# Altium PCB Logic.PcbDoc (continued)
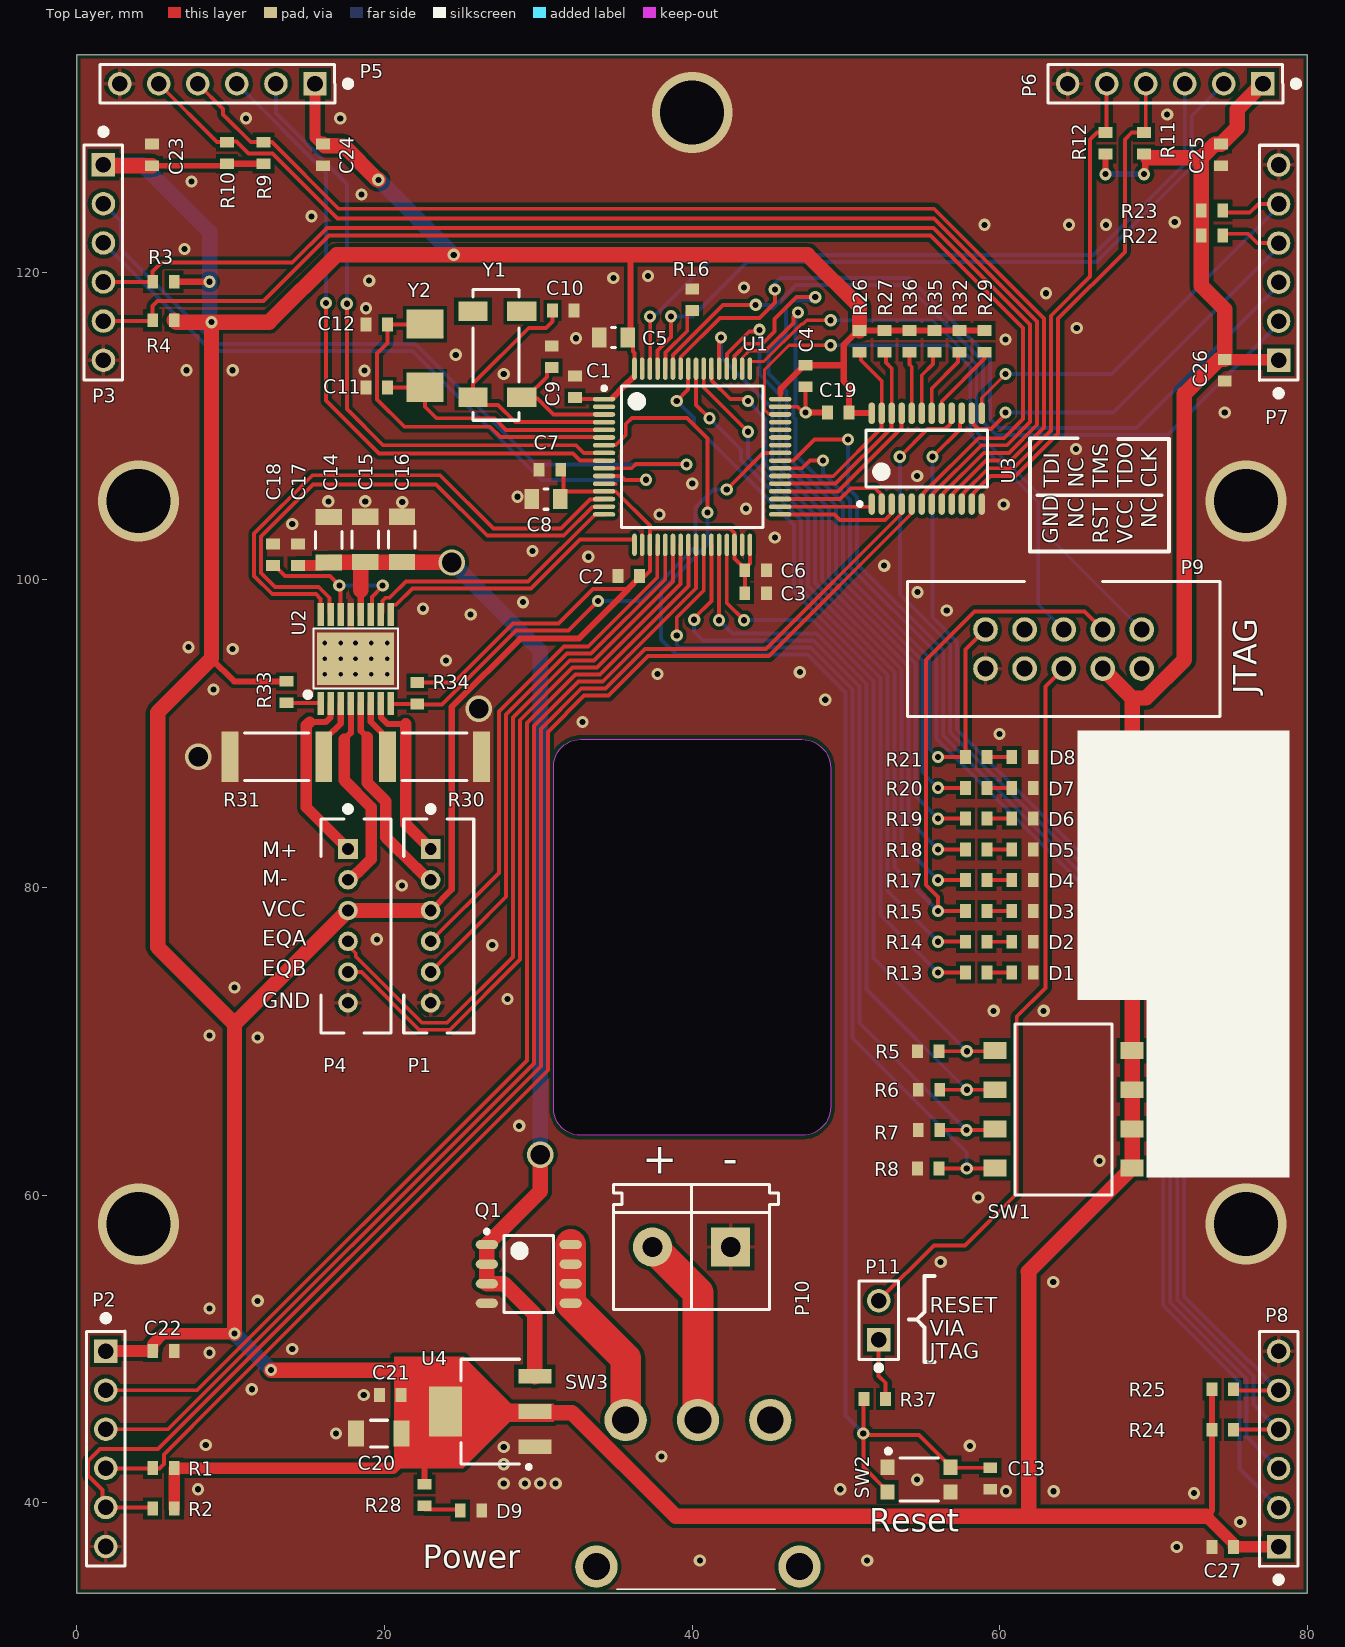
[diagram p0: Top Layer view]
## Part data (continued)
Y1: library part OSC-00003, "XTAL, 32.768kHz, 6pF, 20ppm", Frequency=32.768k, Load Capacitance=6pF, Manufacturer=Abracon, Manufacturer PN=ABS25-32.768KHZ-6-T, Tolerance=20ppm, ESR=50k, Part Number=OSC-00003, Stability=*ppm
Y2: library part OSC-00000, "XTAL, 16MHz, 8pF, 50, 20ppm", Frequency=16M, Load Capacitance=8pF, Manufacturer=NDK, Manufacturer PN=NX5032GA-16MHZ-STD-CSK-4, Tolerance=20ppm, ESR=50, Part Number=OSC-00000, Stability=30ppm

## Via types
v1: diameter 0.8, hole 0.4, Top Layer to Bottom Layer, 146 vias
v2: diameter 0.61, hole 0.305, Top Layer to Bottom Layer, 15 vias
v3: diameter 5.25, hole 4.167, Top Layer to Bottom Layer, 5 vias
v4: diameter 0.8, hole 0.4, Top Layer to Bottom Layer, tented both sides, 4 vias
v5: diameter 1.72, hole 1.27, Top Layer to Bottom Layer, 4 vias

## Nets (pads, with @x,y where several pads share a name; then routed paths per layer and width w, separated by ;. In a path a pad name is that pad's centre, name@x,y a point inside that pad or via, vN(x,y) a via of type N, cw(c..) or ccw(c..) an arc to the next point about the centre after c; other vN are vias at no path point)
GND: C1.2 C2.2 C3.2 C4.2 C5.2 C6.2 C7.2 C8.2 C9.2 C10.2 C11.2 C12.2 C13.2 C14.2 C15.2 C16.2 C17.2 C18.2 C19.2 C20.2 C21.2 C22.2 C23.2 C24.2 C25.2 C26.2 C27.2 D1.1 D2.1 D3.1 D4.1 D5.1 D6.1 D7.1 D8.1 D9.1 P1.6 P2.6 P3.6 P4.6 P5.6 P6.6 P7.6 P8.6 P9.10 P10.1 Q1.4 R5.2 R6.2 R7.2 R8.2 R16.2 R30.2 R31.2 SW2.1 SW2.3 U1.12 U1.18 U1.31 U1.47 U1.63 U2.13 U2.17 U3.12 U4.1 | length 5.9
  Top Layer w0.254: U1.12@34.266,106.259 U1.12 34.284,106.241 35.033,106.241 ; U1.63 U1.63@36.759,113.734 ; U1.47 46.852,111.25 47.227,110.875 v1(47.375,110.875) C4.2
  Top Layer w0.4: v1(47.375,110.875) C19.2 C19.2@48.875,110.95
  Top Layer w0.711: P7.6@77.961,126.93 P7.6@78,126.97
  other v1: 40.5,36.25 51.375,36.25 71.5,37.125 75.625,38.75 72.625,40.625 60.4,40.75 63.5,40.75 7.875,40.875 49.625,40.875 27.75,41.25 29.125,41.25 30.125,41.25 31.125,41.25 54.625,41.5 27.75,42.5 38,43 27.75,43.625 58.05,43.7 8.375,43.75 16.85,44.5 18.65,47 11.375,47.375 8.625,49.75 14,50 8.625,52.625 11.75,53.125 63.475,54.35 56.15,55.65 58.6,59.85 66.475,62.225 28.75,64.5 11.75,70.25 8.625,70.375 59.6,71.975 62.85,71.975 28,72.75 10.25,73.5 27,76.25 19.5,76.625 21.125,80.125 59.975,89.975 32.875,90.75 48.65,92.2 8.875,92.875 37.75,93.875 47,94 24,94.75 10.125,95.5 7.25,95.625 25.6,97.75 56.55,98 22.5,98.125 29,98.55 54.65,99.2 52.479,100.92 33.25,101.5 29.625,101.875 45.375,102.75 14,103.625 37.875,104.25 43.5,104.625 60.25,104.9 21.15,105.05 16.35,105.1 18.75,105.1 28.65,105.4 40,106.25 54.625,106.75 64.95,108.5 74.625,110.875 27.75,113.375 7.125,113.625 10.125,113.625 24.625,114.625 60.375,115.625 32.45,115.7 65,116.375 63,118.625 43.375,119 19,119.45 34.875,119.625 37.125,119.75 7,121.5 59,123.075 64.5,123.075 66.9,123.075 71.375,123.25 15.25,123.625 18.5,125.05 7.45,125.9 11,130 17.125,130 70.875,130.25
  other v2: 16.104,93.859 17.145,93.859 18.111,93.859 19.127,93.859 20.168,93.859 16.104,94.875 17.145,94.875 18.111,94.875 19.127,94.875 20.168,94.875 16.104,95.891 17.145,95.891 18.111,95.891 19.127,95.891 20.168,95.891
  other v3: 4,58.125 76,58.125 4,105.125 76,105.125 40,130.375
  other v4: 18.7,113.6 18.8,117.65
  other v5: 7.875,88.5 26.125,91.626
I2C_RST: U1.33 U3.3 | length 8.1
  Top Layer w0.254: U1.33 49.253,104.25 49.605,103.898 52.545,103.898 52.945,104.298 52.945,104.874 U3.3@52.935,104.885
I2C_SCL: R27.2 U1.37 U3.22 | length 13.9
  Top Layer w0.254: U1.37 49.329,106.25 52.945,109.866 52.945,110.795 U3.22 52.975,113.75 52.6,114.125 52.6,114.8 R27.2
I2C_SDA: R26.2 U1.38 U3.23 | length 13.5
  Top Layer w0.254: U1.38 47.609,106.75 47.625,106.734 49.171,106.734 52.295,109.858 52.295,110.519 52.325,110.549 U3.23 52.325,112.925 50.975,114.275 50.975,114.8 R26.2
I2C_SEL0: U1.34 U3.1 | length 6.1
  Top Layer w0.2: U3.1@51.625,104.75 51.625,104.875 U3.1
  Top Layer w0.254: U1.34 U3.1@51.625,104.75
I2C_SEL1: U1.35 U3.2 | length 7.6
  Top Layer w0.254: U1.35 49.613,105.25 50.315,105.952 51.895,105.952 52.295,105.552 52.295,104.976 U3.2@52.285,104.965
I2C_SEL2: U1.36 U3.21 | length 10.5
  Top Layer w0.254: U1.36 49.471,105.75 53.595,109.874 53.595,110.795 U3.21
JTAG_RST: P9.6 P11.2 | length 47.3
  Top Layer w0.254: P11.2 55.724,56.734 57.744,56.734 61.1,60.089 61.1,71.6 62.975,73.475 62.975,93.055 P9.6
JTAG_TCK: P9.1 U1.49 | length 39.2
  Top Layer w0.2: U1.49 43.75,114.154 43.796,114.2 44.675,114.2 47.096,116.621 47.187,116.621 47.441,116.875 v1(49,116.875)
  Bottom Layer w0.2: v1(49,116.875) 55.625,116.875 58.478,114.022 58.478,109.622 62.9,105.2 62.9,103.1 P9.1
JTAG_TMS: P9.5 U1.46 | length 38
  Top Layer w0.2: U1.46 45.706,110.769 44.994,110.769 44.7,111.064 44.7,113.659 46.291,115.25 v1(49,115.25)
  Bottom Layer w0.2: v1(49,115.25) 56.684,115.25 58.078,113.856 58.078,109.456 62.5,105.034 62.5,98.42 P9.5
LED_0: R13.1 U1.57 | length 48.2
  Top Layer w0.254: v1(39,111.625) 39.741,112.366 39.741,113.716 U1.57 ; v1(55.975,74.475) R13.1@57.6,74.475
  Bottom Layer w0.254: v1(39,111.625) 40.109,110.516 40.109,110.079 46.632,103.556 46.632,99.222 52.235,93.62 52.235,78.215 v1(55.975,74.475)
LED_1: R14.1 U1.56 | length 45.6
  Top Layer w0.254: U1.56 40.25,111.375 v1(41.125,110.5) ; v1(55.975,76.475) R14.1
  Bottom Layer w0.254: v1(41.125,110.5) 43.171,108.454 43.171,107.79 47.086,103.875 47.086,99.41 52.689,93.808 52.689,79.761 v1(55.975,76.475)
LED_2: P9.3 R15.1 U1.55 | length 73.1
  Top Layer w0.254: U1.55 40.75,112.5 v1(43.625,109.625) ; R15.1@57.6,78.475 v1(55.975,78.475) 55.975,79.37 55.194,80.152 55.194,94.794 58.351,97.951 65.509,97.951 P9.3
  Bottom Layer w0.254: v1(43.625,109.625) 43.625,107.978 47.54,104.063 47.54,99.598 53.143,93.996 53.143,81.307 v1(55.975,78.475)
LED_3: R17.1 U1.54 | length 41.8
  Top Layer w0.254: U1.54 41.259,113.716 41.259,112.967 42.475,111.75 43.501,111.75 v1(43.625,111.626) ; v1(55.975,80.475) R17.1
  Bottom Layer w0.254: v1(43.625,111.626) 44.778,110.473 44.778,107.467 47.994,104.251 47.994,99.786 53.597,94.184 53.597,82.853 v1(55.975,80.475)
LED_4: R18.1 U1.53 | length 43
  Top Layer w0.254: U1.53 41.75,115.625 v1(41.875,115.751) ; v1(55.975,82.475) R18.1
  Bottom Layer w0.254: v1(41.875,115.751) 41.875,114.48 45.232,111.123 45.232,107.655 48.448,104.439 48.448,99.975 54.051,94.372 54.051,84.399 v1(55.975,82.475)
LED_5: R19.1 U1.52 | length 42.1
  Top Layer w0.254: U1.52 42.259,113.734 42.259,114.697 43.708,116.146 44.271,116.146 v1(44.375,116.251) ; v1(55.975,84.475) R19.1
  Bottom Layer w0.254: v1(44.375,116.251) 44.375,113.366 45.686,112.055 45.686,107.843 48.902,104.627 48.902,100.163 54.505,94.56 54.505,85.945 v1(55.975,84.475)
LED_6: R20.1 U1.51 | length 48.4
  Top Layer w0.254: U1.51 42.759,113.734 42.759,114.555 43.547,115.344 44.573,115.344 45.359,116.13 45.359,116.964 46.77,118.375 v1(48,118.375) ; v1(55.975,86.475) R20.1
  Bottom Layer w0.254: v1(48,118.375) 47.781,118.156 46.551,118.156 46.094,117.698 46.094,115.935 44.963,114.804 44.963,113.42 46.14,112.243 46.14,108.031 49.356,104.815 49.356,100.351 54.959,94.748 54.959,87.491 v1(55.975,86.475)
LED_7: P9.9 R21.1 U1.50 | length 49.3
  Top Layer w0.2: U1.50 43.269,113.744 43.269,114.456 43.703,114.89 43.735,114.89
  Top Layer w0.254: 43.735,114.89 44.761,114.89 46.577,116.706 46.577,117.077 v1(46.875,117.375) ; v1(55.975,88.475) R21.1 57.775,95.475 P9.9
  Bottom Layer w0.254: v1(46.875,117.375) 46.704,117.204 46.704,111.308 46.594,111.198 46.594,110.551 46.704,110.441 46.704,108.109 49.81,105.003 49.81,100.539 55.413,94.936 55.413,89.037 v1(55.975,88.475)
M0_PWM0: U1.14 U2.16 | length 35.3
  Top Layer w0.254: U2.16 15.85,98.758 15.537,99.07 12.7,99.07 11.519,100.251 11.519,102.998 15.321,106.8 23.6,106.8 27.071,103.329 31.462,103.329 33.36,105.227 34.252,105.227 U1.14
M0_PWM1: U1.15 U2.15 | length 34.5
  Top Layer w0.254: U2.15 16.417,97.837 16.417,98.833 15.726,99.524 12.888,99.524 11.973,100.44 11.973,102.81 15.363,106.2 23.35,106.2 26.675,102.875 31.65,102.875 33.517,104.741 34.266,104.741 U1.15
M0_QA: P4.4 U1.22 | length 47
  Top Layer w0.254: P4.4 17.625,76.225 18.126,75.724 18.126,75.516 22.438,71.204 24.062,71.204 28.349,75.491 28.349,91.058 32.039,94.748 33.62,94.748 38.75,99.878 U1.22
M0_QB: P4.5 U1.23 | length 46.8
  Top Layer w0.254: P4.5 18.5,74.5 22.25,70.75 24.25,70.75 28.803,75.303 28.803,81.75 28.803,90.87 32.227,94.294 33.808,94.294 39.25,99.736 U1.23
M1_PWM0: U1.17 U2.9 | length 18.6
  Top Layer w0.254: U2.9 20.4,97.762 20.478,97.84 20.478,98.216 20.4,98.294 20.483,98.377 20.752,98.377 21.805,99.43 29.522,99.43 32.717,102.625 36.273,102.625 36.273,102.275 U1.17
M1_PWM1: U1.16 U2.10 | length 17.7
  Top Layer w0.254: U2.10 19.863,97.867 19.863,98.639 20.055,98.831 20.331,98.831 21.384,99.884 29.334,99.884 33.7,104.25 U1.16
M1_QA: P1.4 U1.20 | length 32.8
  Top Layer w0.254: P1.4 27.441,80.941 27.441,91.434 31.663,95.656 33.244,95.656 37.727,100.14 U1.20@37.727,102.275
M1_QB: P1.5 U1.21 | length 35
  Top Layer w0.254: P1.5 25.546,77.046 27.895,79.395 27.895,91.246 31.851,95.202 33.432,95.202 38.25,100.02 U1.21
MD0_A: P4.1 U2.2 | length 11.8
  Top Layer w0.4: 15.125,90.75 16.172,90.75 16.49,91.068 16.49,91.944 U2.2
  Top Layer w0.75: 15.125,90.75 14.925,90.55 14.925,85.2 P4.1
MD0_B: P4.2 U2.4 | length 13.2
  Top Layer w0.4: 17.375,89.625 17.81,90.06 17.81,91.944 U2.4
  Top Layer w0.7: P4.2@17.501,80.5 P4.2
  Top Layer w0.75: 17.375,89.625 17.375,86.968 19.125,85.218 19.125,81.84 18.285,81 18.266,81 17.766,80.5 P4.2
MD1_A: P1.1 U2.7 | length 11.5
  Top Layer w0.4: U2.7 19.76,91.944 19.76,91.068 20.203,90.625 21.375,90.625
  Top Layer w0.75: 21.375,90.625 21.375,84.125 P1.1
MD1_B: P1.2 U2.5 | length 13.4
  Top Layer w0.4: U2.5 18.45,90.175 18.875,89.75
  Top Layer w0.75: 18.875,89.75 18.875,86.812 20.075,85.612 20.075,83.265 22.104,81.236 22.123,81.236 22.859,80.5 P1.2
MX_FAULT: R34.1 U1.41 U2.8 | length 33.6
  Top Layer w0.25: U2.8 U2.8@20.429,91.925
  Top Layer w0.254: U2.8@20.429,91.925 R34.1 22.15,91.9 23.725,91.9 28.535,96.71 31.96,96.71 v1(33.875,98.625) ; v1(42.25,105.875) 44.616,108.241 45.716,108.241 U1.41
  Bottom Layer w0.254: v1(33.875,98.625) 36.698,98.625 40.219,102.146 40.219,104.698 41.396,105.875 v1(42.25,105.875)
NetC9_1: C9.1 U1.3 Y1.1 | length 8.1
  Top Layer w0.254: Y1.1 29.243,111.875 30.552,113.184 30.552,113.577 30.775,113.8 C9.1 ; Y1.1@29.625,111.787 29.943,111.787 30.98,110.75 U1.3
NetC10_1: C10.1 U1.4 Y1.2 | length 18.1
  Top Layer w0.254: C10.1 30.925,116.8 30.5,116.375 29.375,116.375 25.75,112.75 25.75,112.192 26.068,111.875 Y1.2 26.258,111.367 27.383,111.367 28.5,110.25 U1.4
NetC11_1: C11.1 U1.5 Y2.1 | length 16
  Top Layer w0.254: C11.1 22.6,112.5 Y2.1 22.625,111.25 23.375,110.5 27.15,110.5 27.9,109.75 U1.5
NetC12_1: C12.1 U1.6 Y2.2 | length 25.6
  Top Layer w0.254: Y2.2@22.625,116.375 Y2.2@22.375,116.625 ; Y2.2@23.698,115.802 22.875,116.625 Y2.2 Y2.2@22.375,116.625 ; U1.6@34.75,109.227 34.704,109.273 27.527,109.273 26.85,109.95 21.3,109.95 19.523,111.727 19.523,114.723 20.2,115.4 C12.1 22.35,116.6 Y2.2@22.375,116.625
NetC13_1: C13.1 R37.1 SW2.2 SW2.4 U1.7 | length 100.7
  Top Layer w0.254: U1.7 34.284,108.759 35.033,108.759 35.681,109.407 35.681,110.118 36.079,110.516 39.671,110.516 41,109.187 v1(41,104.375) ; R37.1 51.125,46.7 v1(51.125,44.5) ; SW2.2 52.7,40.75 51.125,42.325 v1(51.125,44.5) ; C13.1 56.825,42.275 SW2.4 56.8,42.35 54.75,44.4 51.225,44.4 v1(51.125,44.5)
  Bottom Layer w0.254: v1(41,104.375) 41,102.285 37.984,99.269 37.984,96.124 38.97,95.138 47.506,95.138 49.965,92.679 49.965,45.66 v1(51.125,44.5)
NetC18_1: C18.1 U2.11 U2.14 | length 11.7
  Top Layer w0.254: C18.1@12.65,100.925 C18.1 12.85,100.925 13.533,100.242 16.445,100.242 v1(17.062,99.625) ; v1@17.138,99.487 17.138,97.766 U2.14 ; U2.11 19.183,97.837 19.183,98.888 19.875,99.58 v1(19.875,99.625)
  Bottom Layer w0.254: v1(17.062,99.625) v1(19.875,99.625)
NetD1_2: D1.2 R13.2 | length 1.7
  Top Layer w0.254: R13.2 D1.2@60.85,74.475
NetD2_2: D2.2 R14.2 | length 1.6
  Top Layer w0.25: R14.2 D2.2
NetD3_2: D3.2 R15.2 | length 1.7
  Top Layer w0.254: R15.2 D3.2@60.85,78.475
NetD4_2: D4.2 R17.2 | length 1.6
  Top Layer w0.254: R17.2 D4.2
NetD5_2: D5.2 R18.2 | length 1.7
  Top Layer w0.254: R18.2 D5.2@60.85,82.475
NetD6_2: D6.2 R19.2 | length 1.6
  Top Layer w0.254: R19.2 D6.2
NetD7_2: D7.2 R20.2 | length 1.6
  Top Layer w0.254: R20.2 D7.2
NetD8_2: D8.2 R21.2 | length 1.6
  Top Layer w0.254: R21.2 D8.2
NetD9_2: D9.2 R28.2 | length 2.3
  Top Layer w0.254: R28.2@22.625,39.55 24.875,39.55 D9.2
NetP10_2: P10.2 SW3.2 | length 12.5
  Top Layer w2: P10.2 40.375,53.67 SW3.2
NetP11_1: P11.1 R37.2 | length 4
  Top Layer w0.254: P11.1 52.125,48.25 52.575,47.8 R37.2
NetQ1_5: Q1.5 Q1.6 Q1.7 Q1.8 SW3.3 | length 12.9
  Top Layer w2: Q1.8 Q1.7 Q1.6 Q1.5 35.675,49.395 SW3.3
NetR16_1: R16.1 U1.60 | length 4.7
  Top Layer w0.254: U1.60@38.241,113.716 U1.60 38.259,113.734 38.259,114.767 39.677,116.186 39.677,117.379 39.899,117.601 R16.1@39.798,117.702
NetR29_1: R29.1 U3.17 | length 5.1
  Top Layer w0.254: U3.17 56.225,111.6 59,114.375 R29.1
NetR30_1: R30.1 U2.6 | length 3.9
  Top Layer w0.4: U2.6 19.1,90.775 R30.1@20.2,89.675
  Top Layer w0.7: R30.1 R30.1@20.2,89.675
NetR31_1: R31.1 U2.3 | length 3.9
  Top Layer w0.4: R31.1@16.25,89.75 17.15,90.65 U2.3
  Top Layer w0.7: R31.1 16.25,88.7 R31.1@16.25,89.75
NetR32_1: R32.1 U3.18 | length 4.8
  Top Layer w0.254: U3.18 55.575,112.45 57.275,114.15 57.275,114.8 R32.1
NetR33_1: R33.1 U2.1 | length 2.2
  Top Layer w0.254: R33.1 15.804,92 U2.1
NetR35_1: R35.1 U3.19 | length 4.4
  Top Layer w0.254: U3.19 54.954,110.854 54.954,111.385 54.925,111.414 54.925,113.3 55.65,114.025 55.65,114.8 R35.1
NetR36_1: R36.1 U3.20 | length 4
  Top Layer w0.254: R36.1 54.125,114 54.275,113.85 U3.20
OPT_A: R8.1 SW1.8 U1.26 | length 57.8
  Top Layer w0.254: v1(39,96.375) 39,97.56 40.75,99.31 U1.26 ; R8.1 59.655,61.725 SW1.8
  Bottom Layer w0.254: v1(39,96.375) 39,95.75 39.158,95.592 47.694,95.592 50.419,92.867 50.419,70.202 57.85,62.771 v1(57.85,61.725)
OPT_B: R7.1 SW1.7 U1.27 | length 53.7
  Top Layer w0.254: v1(40.125,97.406) 40.125,97.5 41.25,98.625 U1.27 ; R7.1@56.05,64.225 v1(57.833,64.225) 59.615,64.225 SW1.7
  Bottom Layer w0.254: v1(40.125,97.406) 40.125,96.625 40.704,96.046 47.882,96.046 50.873,93.055 50.873,71.202 57.833,64.243 v1(57.833,64.225)
OPT_C: R6.1 SW1.6 U1.28 | length 48.9
  Top Layer w0.254: v1(41.75,97.375) U1.28 ; R6.1 v1(57.855,66.85) ; v1@57.875,66.85 SW1.6
  Bottom Layer w0.254: v1(41.75,97.375) 42.625,96.5 48.07,96.5 51.327,93.243 51.327,73.373 57.85,66.85 v1(57.855,66.85)
OPT_D: R5.1 SW1.5 U1.29 | length 45.7
  Top Layer w0.254: U1.29 42.25,98.5 v1(43.375,97.375) ; R5.1 v1(57.855,69.35) 59.66,69.35 SW1.5
  Bottom Layer w0.254: v1(43.375,97.375) 47.837,97.375 51.781,93.431 51.781,75.424 v1(57.855,69.35)
S0_INT: P2.2 U1.24 | length 75.1
  Top Layer w0.254: P2.2 7.819,47.315 29.257,68.753 29.257,81.938 29.257,90.682 32.415,93.84 33.996,93.84 39.75,99.594 U1.24
S0_SCL: P2.4 R1.2 U3.5 | length 92
  Top Layer w0.254: P2.4 5.364,42.235 5.652,42.523 5.652,43.148 9.362,46.858 29.375,66.871 30.619,68.115 30.619,82.502 30.619,90.118 32.979,92.478 34.56,92.478 37.128,95.046 44.993,95.046 54.275,104.328 U3.5
S0_SDA: P2.5 R2.2 U3.4 | length 98.4
  Top Layer w0.254: R2.2 4.859,39.695 P2.5 1.659,39.914 1.659,40.838 0.736,41.762 0.736,42.708 1.508,43.481 5.269,43.481 30.165,68.377 30.165,82.314 30.165,90.306 32.791,92.932 34.372,92.932 36.94,95.5 44.797,95.5 53.625,104.328 U3.4
S0_XS: P2.3 U1.25 | length 76.7
  Top Layer w0.254: P2.3 5.921,44.775 29.711,68.565 29.711,82.126 29.711,90.494 32.603,93.386 34.184,93.386 40.25,99.452 U1.25
S1_INT: P3.2 U1.10 | length 51.5
  Top Layer w0.254: U1.10 36.073,107.25 36.339,107.516 39.61,107.516 v1(39.625,107.501)
  Bottom Layer w0.254: P3.2 2.868,123.297 2.868,121.462 9.001,115.329 22,115.329 29.828,107.501 v1(39.625,107.501)
S1_SCL: P3.4 R3.2 U3.7 | length 80
  Top Layer w0.254: P3.4 4.91,119.36 R3.2 4.925,120.05 5.5,120.625 14,120.625 16.25,122.875 55.699,122.875 61.97,116.604 61.97,110.266 60.454,108.75 58.803,108.75 55.693,105.64 55.693,105.58 55.575,105.462 U3.7
S1_SDA: P3.5 R4.2 U3.6 | length 80.4
  Top Layer w0.254: P3.5 R4.2@4.855,116.82 ; R4.2@4.87,116.695 4.925,116.75 4.925,117.8 5.25,118.125 12.142,118.125 16.392,122.375 55.5,122.375 61.516,116.359 61.516,110.454 60.266,109.204 58.607,109.204 55.043,105.64 55.043,105.58 54.925,105.462 U3.6
S1_XS: P3.3 U1.11 | length 44.5
  Top Layer w0.254: U1.11 35.375,106.75 35.625,106.5 v1(37,106.5)
  Bottom Layer w0.254: P3.3 8.75,114.875 21.812,114.875 30.187,106.5 v1(37,106.5)
S2_INT: P5.2 U1.8 | length 41
  Top Layer w0.254: v4(17.55,117.95) 17.55,111.1 19.9,108.75 32.45,108.75 32.95,108.25 U1.8
  Bottom Layer w0.254: P5.2 12.94,130.352 17.55,125.742 v4(17.55,117.95)
S2_SCL: P5.4 R9.2 U3.9 | length 77.1
  Top Layer w0.254: P5.4 9.502,130.608 9.502,130.248 11.3,128.45 R9.2 12.675,128.45 17,124.125 55.733,124.125 62.878,116.98 62.878,109.89 60.738,107.75 59.103,107.75 56.993,105.64 56.993,105.58 56.875,105.462 U3.9
S2_SDA: P5.5 R10.2 U3.8 | length 78.9
  Top Layer w0.254: P5.5 9.12,128.45 R10.2 9.8,128.5 10.375,128.5 11.148,127.727 12.71,127.727 16.937,123.5 55.716,123.5 62.424,116.792 62.424,110.078 60.596,108.25 58.953,108.25 56.343,105.64 56.343,105.58 56.225,105.462 U3.8
S2_XS: P5.3 U1.9 | length 42.7
  Top Layer w0.254: v4(16.2,118) 16.2,111.65 19.65,108.2 32.25,108.2 32.7,107.75 U1.9
  Bottom Layer w0.254: P5.3 16.2,126.45 v4(16.2,118)
S3_INT: P6.2 U1.61 | length 47.9
  Top Layer w0.254: U1.61 37.75,114.901 38.625,115.776 38.625,116.663 v1(38.625,117.125)
  Bottom Layer w0.254: v1(38.625,117.125) 40.02,117.125 43.552,120.656 66.281,120.656 72.479,126.854 72.479,130.164 P6.2
S3_SCL: P6.4 R11.2 U3.11 | length 33.4
  Top Layer w0.254: U3.11@58.175,104.951 58.175,105.462 58.293,105.58 58.293,105.64 59.403,106.75 61.022,106.75 63.786,109.514 63.786,116.98 68.125,121.319 68.125,128.625 68.575,129.075 R11.2 69.485,129.185 P6.4
S3_SDA: P6.5 R12.2 U3.10 | length 32
  Top Layer w0.254: U3.10@57.525,105.405 57.525,105.462 57.643,105.58 57.643,105.64 59.253,107.25 60.88,107.25 63.332,109.702 63.332,117.168 65.875,119.711 65.875,128.625 66.325,129.075 R12.2 66.945,129.145 P6.5
S3_XS: P6.3 U1.62 | length 47.5
  Top Layer w0.254: U1.62 37.273,113.748 37.273,117.102 v1(37.262,117.113)
  Bottom Layer w0.254: v1(37.262,117.113) 37.509,117.113 41.505,121.11 66.093,121.11 72.025,127.042 P6.3
S4_INT: P7.2 U1.59 | length 51.8
  Top Layer w0.254: U1.59 38.759,113.734 38.759,114.625 42.009,117.876 v1(44.125,117.876)
  Bottom Layer w0.254: v1(44.125,117.876) 44.978,117.876 45.229,117.625 46.76,119.156 53.952,119.156 58.905,114.203 58.905,110.266 59.766,109.405 70.905,109.405 78,116.5 P7.2@78,116.81
S4_SCL: P7.4 R22.2 U3.14 | length 30.1
  Top Layer w0.254: U3.14 58.175,110.288 58.293,110.17 58.293,110.11 58.605,109.798 59.423,109.798 60.375,110.75 v1(60.375,110.875) v1@60.122,110.875 ; R22.2 74.5,122.275 74.725,122.5 76.125,122.5 76.735,121.89 P7.4@78,121.89
  Bottom Layer w0.254: v1(60.375,110.875) 67.375,110.875 78,121.5 P7.4@78,121.89
S4_SDA: P7.5 R23.2 U3.13 | length 29.6
  Top Layer w0.2: U3.13 58.825,111.825 v1(60.375,113.375)
  Top Layer w0.254: R23.2 74.5,124.1 74.725,123.875 76.25,123.875 76.805,124.43 P7.5@78,124.43
  Bottom Layer w0.254: v1@60.25,113.375 v1(60.375,113.375) 67.25,113.375 78,124.125 P7.5@78,124.43
S4_XS: P7.3 U1.58 | length 52.8
  Top Layer w0.254: U1.58 39.259,113.734 39.259,114.483 41.807,117.032 44.386,117.032 45.375,118.021 v1(45.375,118.876)
  Bottom Layer w0.254: v1(45.375,118.876) 45.375,119.254 45.625,119.503 45.732,119.61 54.14,119.61 59.359,114.391 59.359,110.454 59.954,109.859 64.234,109.859 64.25,109.875 68.875,109.875 78,119 P7.3@78,119.35
S5_INT: P8.2 U1.39 | length 83.3
  Top Layer w0.254: U1.39 47.149,107.25 47.649,107.75 v1(48.5,107.75)
  Bottom Layer w0.254: v1(48.5,107.75) 48.5,106.955 50.264,105.191 50.264,100.84 55.867,95.238 55.867,89.688 70.625,74.929 70.625,52.824 75.592,47.857 75.592,42.218 P8.2
S5_SCL: P8.4 R24.2 U3.16 | length 81.3
  Top Layer w0.254: v1(53.5,108) 55.298,109.798 56.445,109.798 56.757,110.11 56.757,110.17 56.875,110.288 U3.16 ; R24.2 75.215,44.765 P8.4
  Bottom Layer w0.254: v1(53.5,108) 53.5,99.05 56.775,95.775 56.775,90.064 71.533,75.306 71.533,53.2 76.5,48.233 76.5,46.39 P8.4
S5_SDA: P8.5 R25.2 U3.15 | length 76.6
  Top Layer w0.254: v1(55.625,108) 57.407,109.782 57.407,110.17 57.525,110.288 U3.15 ; R25.2 75.27,47.305 P8.5
  Bottom Layer w0.254: v1(55.625,108) 55.625,97.567 57.229,95.963 57.229,90.252 71.987,75.494 71.987,53.388 76.198,49.177 76.253,49.177 P8.5
S5_XS: P8.3 U1.40 | length 83.5
  Top Layer w0.254: U1.40 45.734,107.759 46.586,107.759 47.952,109.125 v1(50.125,109.125)
  Bottom Layer w0.254: v1(50.125,109.125) 50.125,105.972 50.718,105.379 50.718,101.028 56.321,95.426 56.321,89.876 71.079,75.118 71.079,53.012 76.046,48.045 76.046,44.304 P8.3
VBAT_SWITCHED: C14.1 C15.1 C16.1 C17.1 Q1.1 Q1.2 Q1.3 U2.12 U4.3 | length 72.3
  Top Layer w0.4: U2.12 18.45,99.325
  Top Layer w0.711: C17.1 14.381,100.93 15.856,100.93 16.05,101.125 C14.1
  Top Layer w0.75: U4.3@29.775,48.175 U4.3@29.8,48.15
  Top Layer w1: C14.1 16.4,101.15 C15.1@18.525,101.15 ; 18.45,99.325 18.45,101.075 C15.1@18.525,101.15 ; v5(24.375,101.125) 24.363,101.137 21.138,101.137 C16.1 C15.1 C15.1@18.525,101.15 ; U4.3@29.775,48.175 29.775,52.225 27.76,54.24 Q1.3 Q1.2 Q1.1 30.125,60.255 v5(30.125,62.625)
  Bottom Layer w1: v5(24.375,101.125) 30.125,95.375 v5(30.125,62.625)
VCC: C1.1 C2.1 C3.1 C4.1 C5.1 C6.1 C7.1 C8.1 C19.1 C20.1 C21.1 C22.1 C23.1 C24.1 C25.1 C26.1 C27.1 P1.3 P2.1 P3.1 P4.3 P5.1 P6.1 P7.1 P8.1 P9.4 R1.1 R2.1 R3.1 R4.1 R9.1 R10.1 R11.1 R12.1 R22.1 R23.1 R24.1 R25.1 R26.1 R27.1 R28.1 R29.2 R32.2 R33.2 R34.2 R35.2 R36.2 SW1.1 SW1.2 SW1.3 SW1.4 U1.1 U1.13 U1.19 U1.30 U1.32 U1.48 U1.64 U3.24 U4.2 U4.4 | length 512.2
  Top Layer w0.254: R34.2 24.508,93.325 28.347,97.164 31.31,97.164 33.552,99.406 34.198,99.406 35.831,99.406 ; C8.1@31.625,105.425 C7.1@31.625,107.15 ; C8.1@31.8,105.75 U1.13 34.284,105.741 35.033,105.741 37.25,103.525 37.25,102.293 U1.19@37.259,102.284 ; C1.1 32.466,111.759 34.266,111.759 U1.1 34.354,111.75 U1.1@34.375,111.771 ; C5.1 36.148,115.402 36.148,114.843 36.241,114.75 36.241,113.762 U1.64@36.229,113.75 ; C2.1@36.925,100.25 37.25,100.575 U1.19 U1.19@37.259,102.284 ; C3.1 C6.1 C6.1@43.425,100.725 ; U1.32@43.759,101.666 43.759,102.266 U1.32 43.75,101.05 C6.1@43.425,100.725 ; U1.48 45.729,111.75 45.75,111.771 45.75,112.125 ; U1.19@37.259,102.284 37.259,103.327 42.448,103.327 42.741,103.033 42.741,102.284 U1.30 42.759,102.266 42.759,101.391 C6.1@43.425,100.725
  Top Layer w0.35: C23.1 R10.1@9.525,126.925
  Top Layer w0.4: R3.1 v1(8.625,119.375) ; 8.75,94.871 10.221,93.4 R33.2 ; R10.1@9.65,127.05 R10.1 R9.1 ; R28.1 22.6,42.8 ; P1.3 24.374,79.874 24.374,91.732 28.824,96.183 32.641,96.183 35.831,99.373 35.831,99.406 36.575,100.15 C2.1 ; U1.1@34.8,111.8 35.6,112.6 U1.64@36.2,113.2 ; C5.1 36,115.95 36,121.125 ; 45.75,112.125 45.75,112.425 47.275,113.95 C4.1 49.825,113.95 ; R26.1@50.825,116.2 50.775,116.2 49.854,115.279 49.854,112.921 50.2,112.575 C19.1 50.225,110.85 51.67,110.85 51.675,110.845 U3.24 ; R26.1 R27.1 R36.2 R35.2 R32.2 R29.2 ; v1(66.875,126.375) R12.1 ; v1(69.375,126.375) 69.452,126.452 69.452,127.281 R11.1@69.61,127.44 ; 73.413,39.125 73.8,39.512 R24.1 R25.1
  Top Layer w0.711: P5.1 15.48,128.756 15.911,128.325 C24.1 ; P7.1@77.951,114.319 77.97,114.3 P7.1@78,114.27
  Top Layer w0.75: R2.1 6.329,42.207 6.354,42.232 6.354,42.25 20.55,42.25 21.1,42.8 ; v1(10.25,51) 5.625,51 4.925,50.3 C22.1 4.915,49.865 P2.1@1.889,49.865 ; C20.1 C20.1@21.225,44.625 ; U4.4@23.275,44.625 23.975,45.325 23.975,45.875 U4.2@29.775,45.875 ; U4.4@23.275,47 U4.4@23.875,46.4 ; R26.1@50.8,116.225 50.825,116.2 R26.1 ; 73.413,39.125 75.175,37.363 75.175,37.15 C27.1 75.21,37.135 78.115,37.135 P8.1 78.11,37.16 P8.1@78.103,37.152 ; C26.1 74.65,114.3 77.97,114.3 78.095,114.3 P7.1 ; P2.1@1.889,49.865 P2.1 P2.1@1.889,49.865
  Top Layer w1: P3.1 1.78,126.925 C23.1 ; R4.1 6.45,116.75 v1(8.75,116.75) ; v1(10.25,51) 10.25,71.125 ; v1(12.625,48.625) 21.15,48.625 ; C24.1 16.097,128.228 17.322,128.228 19.55,126 v1(19.6,126) ; P1.3 P4.3 10.25,71.125 ; U4.4@23.875,46.4 23.875,45.975 U4.4@23.975,45.875 ; U4.2@29.775,45.875 29.8,45.85 32.189,45.85 38.914,39.125 49,39.125 61.875,39.125 ; R26.1 50.875,117.757 47.507,121.125 36,121.125 v1(24.5,121.125) 16.875,121.125 12.5,116.75 v1(8.75,116.75) ; 61.85,55.02 68.35,61.52 68.35,61.72 68.4,61.77 SW1.1 SW1.2 SW1.3 SW1.4 68.6,92.32 ; 61.875,55.02 61.875,39.125 ; P9.4 68.6,92.32 ; R11.1@69.61,127.44 73.1,127.44 ; 73.413,39.125 61.875,39.125 ; P6.1 75.429,130.574 75.429,129.379 C25.1 73.985,128.325 73.1,127.44 ; v1(8.75,116.75) 8.75,94.871 5.25,91.371 5.25,76.125 10.25,71.125 ; 68.6,92.32 69.518,92.32 72,94.802 72,112.09 74.235,114.325 C26.1 74.625,117.587 73.1,119.112 R22.1 R23.1 73.1,127.44
  Bottom Layer w0.4: v1(66.875,126.375) v1(69.375,126.375)
  Bottom Layer w1: P3.1 4.27,126.98 8.625,122.625 v1(8.625,119.375) 8.625,116.875 v1(8.75,116.75) ; v1(10.25,51) v1(12.625,48.625) ; v1(19.6,126) 19.625,126 v1(24.5,121.125)
pads on no net: P9.2 P9.7 P9.8 SW3.0 SW3.1 U1.2 U1.42 U1.43 U1.44 U1.45 Y1.3 Y1.4

## Polygon pours and split planes (outlines as drawn)
no net on Top Overlay (solid): 65.05,90.2 65.05,72.7 69.55,72.7 69.55,61.15 78.8,61.15 78.8,90.2
GND on Bottom Layer "Bottom Layer-GND" (solid, pour order 8): 0,34.125 80,34.125 80,134.125 0,134.125
GND on Top Layer "Top Layer-GND" (solid, pour order 10): 0,34.125 80,34.125 80,134.125 0,134.125

## Other copper
Top Layer:
  region net VCC: 31,45.25 28.125,45.25 25.125,42.25 20.625,42.25 20.625,49.5 25.15,49.5 28.2,46.45 31,46.45

## Silkscreen, mask and mechanical layers (free items; w line width, h text height)
Top Overlay:
  lines w0.254: 54.1,51.9 54.6,51.9 ; 55.75,49.15 55.1,49.15 55.1,51.4 54.6,51.9 ; 55.75,54.75 55.1,54.75 55.1,52.4 54.6,51.9 ; 62.45,105.5 70.5,105.5 ; 65.05,109.2 61.95,109.2 61.95,101.85 71,101.85 71,109.15 67.7,109.15 ; 54.6,51.9 54.6,51.9
  text "TDI" at 63.85,106 h1 r90
  text "NC" at 65.45,106 h1 r90
  text "TMS" at 67.05,106 h1 r90
  text "TDO" at 68.65,106 h1 r90
  text "CLK" at 70.2,106 h1 r90
  text "NC" at 65.45,103.35 h1 r90
  text "NC" at 70.2,103.35 h1 r90
  text "GND" at 63.8,102.35 h1 r90
  text "RST" at 67.05,102.35 h1 r90
  text "VCC" at 68.65,102.35 h1 r90
  text "JTAG" at 76.7,92.55 h1.52 r90
  text "M+" at 12.05,81.95 h1
  text "M-" at 12.05,80.1 h1
  text "VCC" at 12.05,78.1 h1
  text "EQA" at 12.05,76.2 h1
  text "EQB" at 12.05,74.25 h1
  text "GND" at 12.05,72.15 h1
  text "+" at 36.75,61.375 h2
  text "-" at 42,61.375 h2
  text "RESET / VIA / JTAG" at 55.45,49.35 h1
  text "Reset" at 51.5,38.125 h1.52
  text "Power" at 22.5,35.75 h1.52